# KiCad board hvd-50-idc-panel.kicad_pcb (continued)
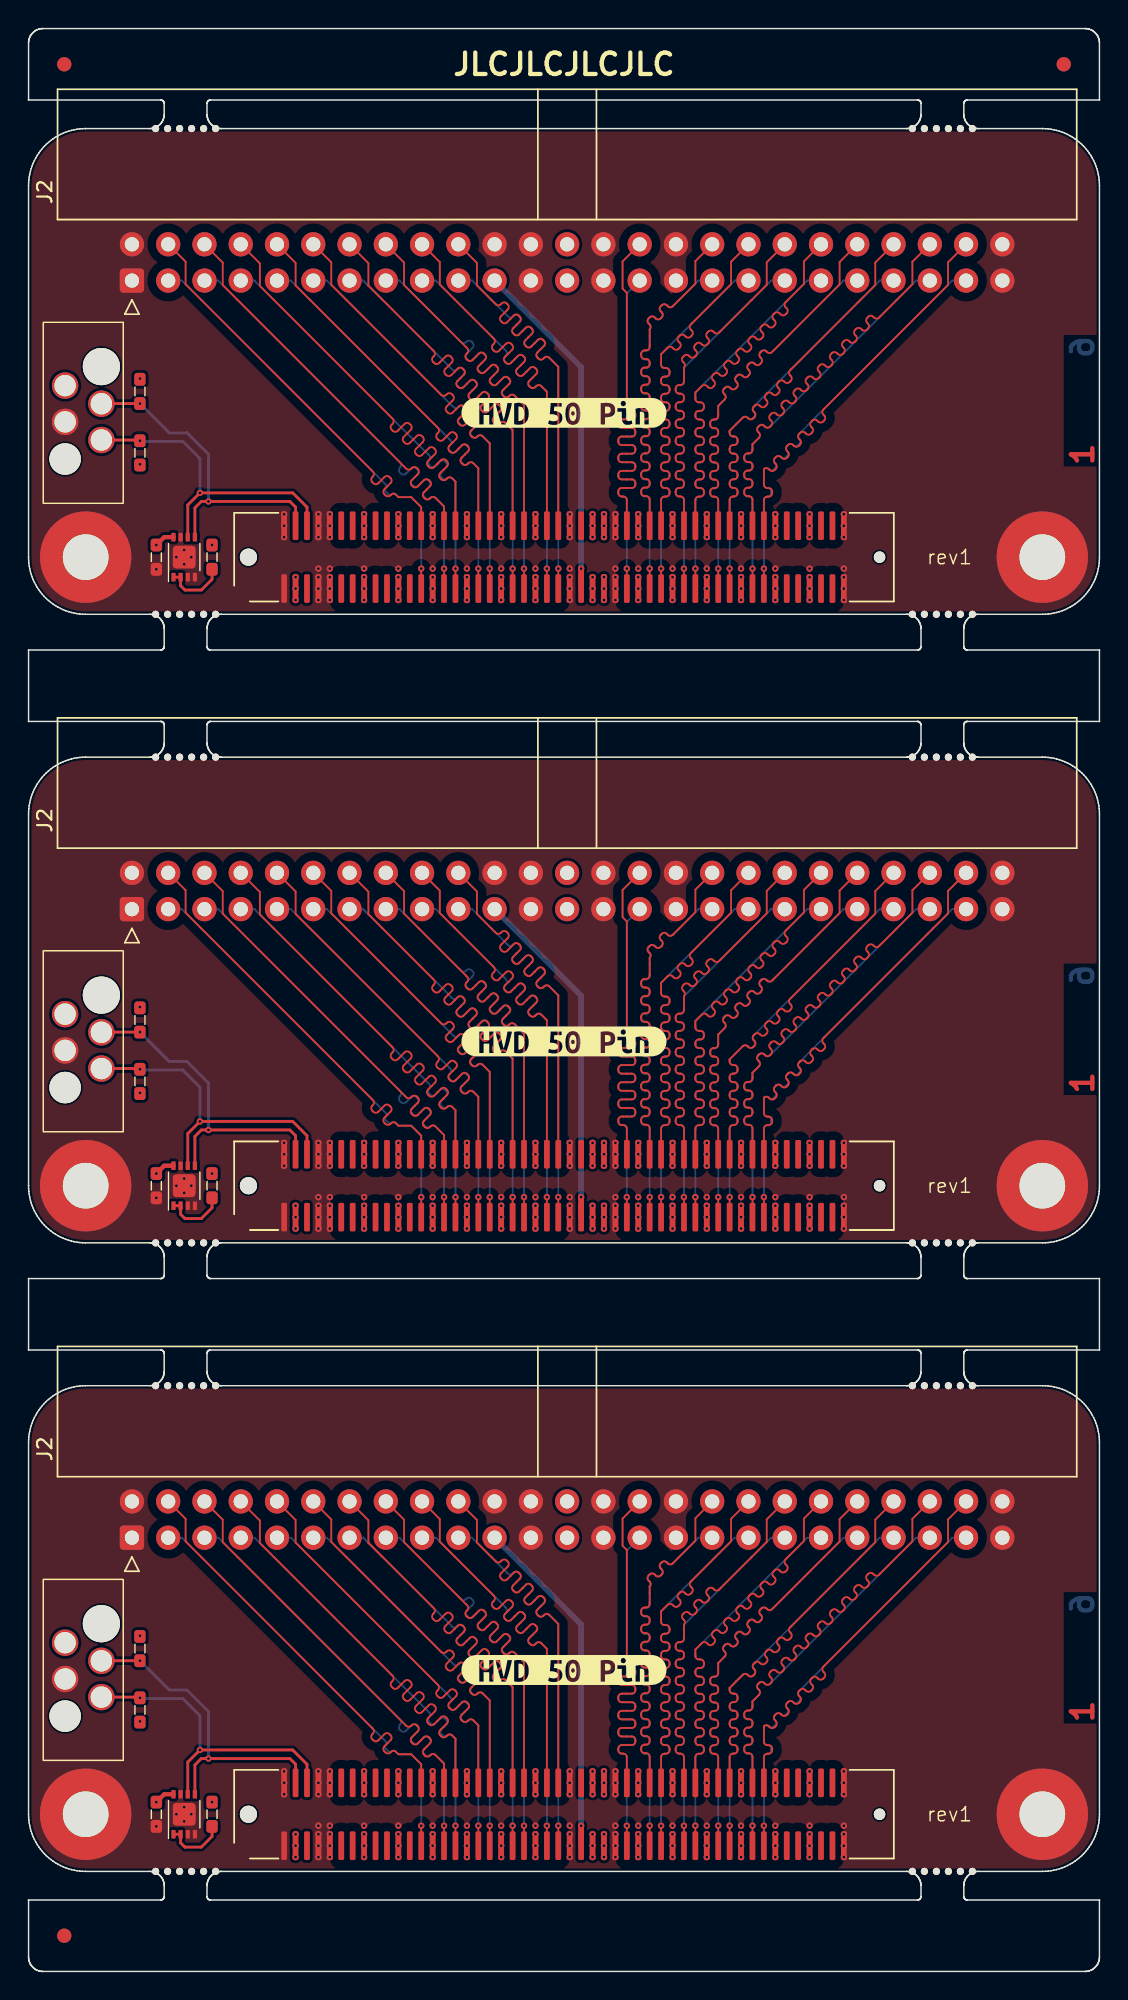
[diagram p0: board, top side]
## Routing (per net, layer and track width the routed paths; a pad name or vN(x,y) marks a point on that pad's centre or on a via; arc(x,y) is an arc through that point) (continued)
Board_2-/CON.ACK-: length 30
  Top w0.128: J2.36 49.2,31.68 49.2,30.11 46.37,27.28 arc(46.3,27.11) 46.37,26.94 46.45,26.86 arc(46.52,26.69) 46.45,26.52 46.37,26.43 arc(46.2,26.36) 46.03,26.43 45.95,26.52 arc(45.78,26.59) 45.61,26.52 45.52,26.43 arc(45.45,26.26) 45.52,26.09 45.61,26.01 arc(45.68,25.84) 45.61,25.67 45.52,25.58 arc(45.35,25.51) 45.18,25.58 45.1,25.67 arc(44.93,25.74) 44.76,25.67 44.3,25.21 44.3,24.48 arc(44.37,24.31) 44.54,24.24 44.66,24.24 arc(44.83,24.17) 44.9,24 44.9,23.88 arc(44.83,23.71) 44.66,23.64 44.54,23.64 arc(44.37,23.57) 44.3,23.4 44.3,23.28 arc(44.37,23.11) 44.54,23.04 44.66,23.04 arc(44.83,22.97) 44.9,22.8 44.9,22.68 arc(44.83,22.51) 44.66,22.44 44.54,22.44 arc(44.37,22.37) 44.3,22.2 44.3,22.08 arc(44.37,21.91) 44.54,21.84 44.66,21.84 arc(44.83,21.77) 44.9,21.6 44.9,21.48 arc(44.83,21.31) 44.66,21.24 44.54,21.24 arc(44.37,21.17) 44.3,21 44.3,20.88 arc(44.37,20.71) 44.54,20.64 44.66,20.64 arc(44.83,20.57) 44.9,20.4 44.9,20.28 arc(44.83,20.11) 44.66,20.04 44.54,20.04 arc(44.37,19.97) 44.3,19.8 44.3,19.68 arc(44.37,19.51) 44.54,19.44 44.66,19.44 arc(44.83,19.37) 44.9,19.2 44.9,19.08 arc(44.83,18.91) 44.66,18.84 44.54,18.84 arc(44.37,18.77) 44.3,18.6 44.3,18.48 arc(44.37,18.31) 44.54,18.24 44.66,18.24 arc(44.83,18.17) 44.9,18 44.9,17.88 arc(44.83,17.71) 44.66,17.64 44.54,17.64 arc(44.37,17.57) 44.3,17.4 44.3,17.28 arc(44.37,17.11) 44.54,17.04 44.66,17.04 arc(44.83,16.97) 44.9,16.8 44.9,16.68 arc(44.83,16.51) 44.66,16.44 44.54,16.44 arc(44.37,16.37) 44.3,16.2 44.3,16.08 arc(44.37,15.91) 44.54,15.84 44.66,15.84 arc(44.83,15.77) 44.9,15.6 44.9,15.48 arc(44.83,15.31) 44.66,15.24 44.54,15.24 arc(44.37,15.17) 44.3,15 J1.68
Board_2-/CON.ATN+: length 30.4
  Top w0.128: J1.61 v1(41.9,10.2)
  Bottom w0.128: J2.29 41.9,29.46 41.9,20.88 arc(41.83,20.71) 41.66,20.64 41.56,20.64 arc(41.39,20.57) 41.32,20.4 41.32,20.28 arc(41.39,20.11) 41.56,20.04 42.24,20.04 arc(42.41,19.97) 42.48,19.8 42.48,19.68 arc(42.41,19.51) 42.24,19.44 41.56,19.44 arc(41.39,19.37) 41.32,19.2 41.32,19.08 arc(41.39,18.91) 41.56,18.84 42.24,18.84 arc(42.41,18.77) 42.48,18.6 42.48,18.48 arc(42.41,18.31) 42.24,18.24 41.56,18.24 arc(41.39,18.17) 41.32,18 41.32,17.88 arc(41.39,17.71) 41.56,17.64 42.24,17.64 arc(42.41,17.57) 42.48,17.4 42.48,17.28 arc(42.41,17.11) 42.24,17.04 41.56,17.04 arc(41.39,16.97) 41.32,16.8 41.32,16.68 arc(41.39,16.51) 41.56,16.44 42.24,16.44 arc(42.41,16.37) 42.48,16.2 42.48,16.08 arc(42.41,15.91) 42.24,15.84 41.56,15.84 arc(41.39,15.77) 41.32,15.6 41.32,15.48 arc(41.39,15.31) 41.56,15.24 41.66,15.24 arc(41.83,15.17) 41.9,15 v1(41.9,10.2)
Board_2-/CON.ATN-: length 30
  Top w0.128: J2.30 41.6,31.7 41.6,29.8 41.9,29.5 41.9,21.48 arc(41.97,21.32) 42.14,21.24 42.26,21.24 arc(42.43,21.17) 42.5,21 42.5,20.88 arc(42.43,20.72) 42.26,20.64 41.54,20.64 arc(41.37,20.57) 41.3,20.4 41.3,20.28 arc(41.37,20.12) 41.54,20.04 42.26,20.04 arc(42.43,19.97) 42.5,19.8 42.5,19.68 arc(42.43,19.52) 42.26,19.44 41.54,19.44 arc(41.37,19.37) 41.3,19.2 41.3,19.08 arc(41.37,18.92) 41.54,18.84 42.26,18.84 arc(42.43,18.77) 42.5,18.6 42.5,18.48 arc(42.43,18.32) 42.26,18.24 41.54,18.24 arc(41.37,18.17) 41.3,18 41.3,17.88 arc(41.37,17.72) 41.54,17.64 42.26,17.64 arc(42.43,17.57) 42.5,17.4 42.5,17.28 arc(42.43,17.12) 42.26,17.04 41.54,17.04 arc(41.37,16.97) 41.3,16.8 41.3,16.68 arc(41.37,16.52) 41.54,16.44 42.26,16.44 arc(42.43,16.37) 42.5,16.2 42.5,16.08 arc(42.43,15.92) 42.26,15.84 41.54,15.84 arc(41.37,15.77) 41.3,15.6 41.3,15.48 arc(41.37,15.32) 41.54,15.24 41.66,15.24 arc(41.83,15.17) 41.9,15 J1.62
Board_2-/CON.BSY+: length 32.6
  Top w0.128: J1.65 v1(43.5,10.2)
  Bottom w0.128: v1(43.5,10.2) 43.5,15 arc(43.43,15.17) 43.26,15.24 43.14,15.24 arc(42.97,15.31) 42.9,15.48 42.9,15.6 arc(42.97,15.77) 43.14,15.84 43.26,15.84 arc(43.43,15.91) 43.5,16.08 43.5,16.2 arc(43.43,16.37) 43.26,16.44 43.14,16.44 arc(42.97,16.51) 42.9,16.68 42.9,16.8 arc(42.97,16.97) 43.14,17.04 43.26,17.04 arc(43.43,17.11) 43.5,17.28 43.5,17.4 arc(43.43,17.57) 43.26,17.64 43.14,17.64 arc(42.97,17.71) 42.9,17.88 42.9,18 arc(42.97,18.17) 43.14,18.24 43.26,18.24 arc(43.43,18.31) 43.5,18.48 43.5,18.6 arc(43.43,18.77) 43.26,18.84 43.14,18.84 arc(42.97,18.91) 42.9,19.08 42.9,19.2 arc(42.97,19.37) 43.14,19.44 43.26,19.44 arc(43.43,19.51) 43.5,19.68 43.5,19.8 arc(43.43,19.97) 43.26,20.04 43.14,20.04 arc(42.97,20.11) 42.9,20.28 42.9,20.4 arc(42.97,20.57) 43.14,20.64 43.26,20.64 arc(43.43,20.71) 43.5,20.88 43.5,21 arc(43.43,21.17) 43.26,21.24 43.14,21.24 arc(42.97,21.31) 42.9,21.48 42.9,21.6 arc(42.97,21.77) 43.14,21.84 43.26,21.84 arc(43.43,21.91) 43.5,22.08 43.5,22.2 arc(43.43,22.37) 43.26,22.44 43.14,22.44 arc(42.97,22.51) 42.9,22.68 42.9,22.8 arc(42.97,22.97) 43.14,23.04 43.26,23.04 arc(43.43,23.11) 43.5,23.28 43.5,23.4 arc(43.43,23.57) 43.26,23.64 43.14,23.64 arc(42.97,23.71) 42.9,23.88 42.9,24 arc(42.97,24.17) 43.14,24.24 43.26,24.24 arc(43.43,24.31) 43.5,24.48 43.5,24.6 arc(43.43,24.77) 43.26,24.84 43.14,24.84 arc(42.97,24.91) 42.9,25.08 42.9,25.2 arc(42.97,25.37) 43.14,25.44 43.26,25.44 arc(43.43,25.51) 43.5,25.68 43.5,26.95 arc(43.57,27.12) 43.5,27.29 43.42,27.37 arc(43.34,27.54) 43.42,27.71 43.5,27.8 arc(43.67,27.87) 43.84,27.8 43.92,27.71 arc(44.09,27.64) 44.26,27.71 44.35,27.8 arc(44.42,27.97) 44.35,28.13 44.26,28.22 arc(44.19,28.39) 44.26,28.56 44.35,28.64 arc(44.52,28.71) 44.69,28.64 44.77,28.56 arc(44.94,28.49) 45.11,28.56 46.92,30.36 J2.33
Board_2-/CON.BSY-: length 30
  Top w0.128: J1.66 43.5,15.04 arc(43.43,15.21) 43.26,15.28 43.15,15.28 arc(42.98,15.35) 42.91,15.52 42.91,15.64 arc(42.98,15.81) 43.15,15.88 43.26,15.88 arc(43.43,15.95) 43.5,16.12 43.5,16.24 arc(43.43,16.41) 43.26,16.48 43.15,16.48 arc(42.98,16.55) 42.91,16.72 42.91,16.84 arc(42.98,17.01) 43.15,17.08 43.26,17.08 arc(43.43,17.15) 43.5,17.32 43.5,17.44 arc(43.43,17.61) 43.26,17.68 43.15,17.68 arc(42.98,17.75) 42.91,17.92 42.91,18.04 arc(42.98,18.21) 43.15,18.28 43.26,18.28 arc(43.43,18.35) 43.5,18.52 43.5,18.64 arc(43.43,18.81) 43.26,18.88 43.15,18.88 arc(42.98,18.95) 42.91,19.12 42.91,19.24 arc(42.98,19.41) 43.15,19.48 43.26,19.48 arc(43.43,19.55) 43.5,19.72 43.5,19.84 arc(43.43,20.01) 43.26,20.08 43.15,20.08 arc(42.98,20.15) 42.91,20.32 42.91,20.44 arc(42.98,20.61) 43.15,20.68 43.26,20.68 arc(43.43,20.75) 43.5,20.92 43.5,21.04 arc(43.43,21.21) 43.26,21.28 43.15,21.28 arc(42.98,21.35) 42.91,21.52 42.91,21.64 arc(42.98,21.81) 43.15,21.88 43.26,21.88 arc(43.43,21.95) 43.5,22.12 43.5,22.24 arc(43.43,22.41) 43.26,22.48 43.15,22.48 arc(42.98,22.55) 42.91,22.72 42.91,22.84 arc(42.98,23.01) 43.15,23.08 43.26,23.08 arc(43.43,23.15) 43.5,23.32 43.5,23.44 arc(43.43,23.61) 43.26,23.68 43.15,23.68 arc(42.98,23.75) 42.91,23.92 42.91,24.04 arc(42.98,24.21) 43.15,24.28 43.26,24.28 arc(43.43,24.35) 43.5,24.52 43.5,24.64 arc(43.43,24.81) 43.26,24.88 43.15,24.88 arc(42.98,24.95) 42.91,25.12 42.91,25.24 arc(42.98,25.41) 43.15,25.48 43.26,25.48 arc(43.43,25.55) 43.5,25.72 43.5,26.95 arc(43.57,27.12) 43.5,27.29 43.42,27.37 arc(43.35,27.54) 43.42,27.71 43.5,27.79 arc(43.67,27.86) 43.84,27.79 43.92,27.71 arc(44.09,27.64) 44.26,27.71 44.35,27.8 arc(44.42,27.97) 44.35,28.13 44.27,28.22 arc(44.2,28.39) 44.27,28.55 44.35,28.64 arc(44.52,28.71) 44.69,28.64 44.77,28.56 arc(44.94,28.49) 45.11,28.56 46.7,30.15 46.7,31.72 J2.34
Board_2-/CON.C/D+: length 30.4
  Top w0.128: J1.79 v1(49.1,10.2)
  Bottom w0.128: v1(49.1,10.2) 49.1,15.02 arc(49.17,15.19) 49.34,15.26 49.42,15.26 arc(49.59,15.33) 49.66,15.5 49.66,15.62 arc(49.59,15.79) 49.42,15.86 49.34,15.86 arc(49.17,15.93) 49.1,16.1 49.1,16.22 arc(49.17,16.39) 49.34,16.46 49.42,16.46 arc(49.59,16.53) 49.66,16.7 49.66,16.82 arc(49.59,16.99) 49.42,17.06 49.34,17.06 arc(49.17,17.13) 49.1,17.3 49.1,17.42 arc(49.17,17.59) 49.34,17.66 49.42,17.66 arc(49.59,17.73) 49.66,17.9 49.66,18.02 arc(49.59,18.19) 49.42,18.26 49.34,18.26 arc(49.17,18.33) 49.1,18.5 49.1,18.62 arc(49.17,18.79) 49.34,18.86 49.42,18.86 arc(49.59,18.93) 49.66,19.1 49.66,19.22 arc(49.59,19.39) 49.42,19.46 49.34,19.46 arc(49.17,19.53) 49.1,19.7 49.1,19.85 50.02,20.77 arc(50.19,20.84) 50.36,20.77 50.41,20.71 arc(50.58,20.64) 50.75,20.71 50.84,20.8 arc(50.91,20.97) 50.84,21.14 50.78,21.19 arc(50.71,21.36) 50.78,21.53 50.87,21.61 59.62,30.36 J2.43
Board_2-/CON.C/D-: length 30
  Top w0.128: J1.80 49.1,15.01 arc(49.17,15.18) 49.34,15.25 49.42,15.25 arc(49.59,15.32) 49.66,15.49 49.66,15.61 arc(49.59,15.78) 49.42,15.85 49.34,15.85 arc(49.17,15.92) 49.1,16.09 49.1,16.21 arc(49.17,16.38) 49.34,16.45 49.42,16.45 arc(49.59,16.52) 49.66,16.69 49.66,16.81 arc(49.59,16.98) 49.42,17.05 49.34,17.05 arc(49.17,17.12) 49.1,17.29 49.1,17.41 arc(49.17,17.58) 49.34,17.65 49.42,17.65 arc(49.59,17.72) 49.66,17.89 49.66,18.01 arc(49.59,18.18) 49.42,18.25 49.34,18.25 arc(49.17,18.32) 49.1,18.49 49.1,18.61 arc(49.17,18.78) 49.34,18.85 49.42,18.85 arc(49.59,18.92) 49.66,19.09 49.66,19.21 arc(49.59,19.38) 49.42,19.45 49.34,19.45 arc(49.17,19.52) 49.1,19.69 49.1,19.85 50.02,20.77 arc(50.19,20.84) 50.36,20.77 50.41,20.71 arc(50.58,20.64) 50.75,20.71 50.84,20.8 arc(50.91,20.97) 50.84,21.14 50.78,21.19 arc(50.71,21.36) 50.78,21.53 50.87,21.61 arc(51.04,21.68) 51.21,21.61 51.26,21.56 arc(51.43,21.49) 51.6,21.56 51.68,21.65 arc(51.76,21.82) 51.68,21.99 51.63,22.04 arc(51.56,22.21) 51.63,22.38 51.72,22.46 arc(51.89,22.53) 52.06,22.46 52.11,22.41 arc(52.28,22.34) 52.45,22.41 52.53,22.49 arc(52.6,22.66) 52.53,22.83 52.48,22.89 arc(52.41,23.06) 52.48,23.23 52.56,23.31 arc(52.73,23.38) 52.9,23.31 52.96,23.26 arc(53.13,23.19) 53.3,23.26 53.38,23.34 arc(53.45,23.51) 53.38,23.68 53.33,23.74 arc(53.26,23.91) 53.33,24.08 53.41,24.16 59.3,30.05 59.3,31.62 J2.44
Board_2-/CON.DB0+: length 30.4
  Top w0.128: J1.25 v1(27.5,10.2)
  Bottom w0.128: v1(27.5,10.2) 27.5,14.5 26.8,15.2 25.9,15.2 25.69,15.42 arc(25.56,15.47) 25.44,15.42 arc(25.31,15.36) 25.19,15.42 25.01,15.59 arc(24.96,15.72) 25.01,15.84 arc(25.07,15.96) 25.01,16.09 10.74,30.36 J2.3
Board_2-/CON.DB0-: length 30
  Top w0.128: J2.4 11,31.68 11,30.11 24.03,17.07 24.12,16.99 arc(24.19,16.82) 24.12,16.65 24.07,16.6 arc(24,16.43) 24.07,16.26 24.15,16.17 arc(24.32,16.1) 24.49,16.17 24.93,16.61 arc(25.1,16.69) 25.27,16.61 25.36,16.53 arc(25.43,16.36) 25.36,16.19 24.92,15.75 arc(24.85,15.58) 24.92,15.41 25,15.33 arc(25.17,15.26) 25.34,15.33 25.39,15.38 arc(25.56,15.45) 25.73,15.38 25.9,15.2 26.8,15.2 27.5,14.5 J1.26
Board_2-/CON.DB1+: length 32.9
  Top w0.128: J1.29 v1(29.1,10.2)
  Bottom w0.128: J2.5 13.28,30.36 26.02,17.62 arc(26.09,17.45) 26.02,17.28 26,17.26 arc(25.93,17.09) 26,16.92 26.09,16.84 arc(26.26,16.77) 26.43,16.84 26.81,17.22 arc(26.98,17.29) 27.15,17.22 27.23,17.14 arc(27.3,16.97) 27.23,16.8 26.85,16.42 arc(26.78,16.25) 26.85,16.08 26.94,15.99 arc(27.11,15.92) 27.28,15.99 27.66,16.37 arc(27.83,16.44) 28,16.37 28.08,16.29 arc(28.15,16.12) 28.08,15.95 27.7,15.57 arc(27.63,15.4) 27.7,15.23 27.78,15.14 arc(27.95,15.07) 28.12,15.14 28.14,15.16 arc(28.31,15.23) 28.48,15.16 29.1,14.55 v1(29.1,10.2)
Board_2-/CON.DB1-: length 30
  Top w0.128: J2.6 13.6,31.62 13.6,30.05 26.46,17.19 arc(26.63,17.12) 26.8,17.19 26.85,17.24 arc(27.02,17.31) 27.19,17.24 27.27,17.16 arc(27.34,16.99) 27.27,16.82 26.83,16.37 arc(26.76,16.2) 26.83,16.04 26.91,15.95 arc(27.08,15.88) 27.25,15.95 27.7,16.39 arc(27.87,16.46) 28.04,16.39 28.12,16.31 arc(28.19,16.14) 28.12,15.97 27.68,15.53 arc(27.61,15.36) 27.68,15.19 27.76,15.1 arc(27.93,15.03) 28.1,15.1 28.15,15.15 arc(28.32,15.22) 28.49,15.15 29.1,14.55 J1.30
Board_2-/CON.DB2+: length 30.4
  Top w0.128: J1.31 v1(29.9,10.2)
  Bottom w0.128: v1(29.9,10.2) 29.9,16.29 29.67,16.51 arc(29.5,16.58) 29.34,16.51 arc(29.17,16.45) 29,16.51 28.91,16.61 arc(28.84,16.77) 28.91,16.94 29.25,17.28 arc(29.32,17.44) 29.25,17.61 29.16,17.7 arc(28.99,17.77) 28.82,17.7 28.49,17.37 arc(28.32,17.3) 28.15,17.37 28.06,17.45 arc(27.99,17.62) 28.06,17.79 arc(28.13,17.96) 28.06,18.12 27.98,18.21 15.82,30.36 J2.7
Board_2-/CON.DB2-: length 34.4
  Top w0.128: J2.8 16.2,31.56 16.2,29.99 25.5,20.68 arc(25.57,20.51) 25.5,20.34 25.43,20.27 arc(25.36,20.1) 25.43,19.93 25.51,19.84 arc(25.68,19.77) 25.85,19.84 26.34,20.34 arc(26.51,20.41) 26.68,20.34 26.77,20.25 arc(26.84,20.08) 26.77,19.91 26.27,19.42 arc(26.2,19.25) 26.27,19.08 26.36,19 arc(26.53,18.93) 26.7,19 27.19,19.49 arc(27.36,19.56) 27.53,19.49 27.62,19.4 arc(27.69,19.23) 27.62,19.06 27.12,18.57 arc(27.05,18.4) 27.12,18.23 27.21,18.15 arc(27.38,18.08) 27.55,18.15 28.04,18.64 arc(28.21,18.71) 28.38,18.64 28.46,18.55 arc(28.53,18.38) 28.46,18.21 27.97,17.72 arc(27.9,17.55) 27.97,17.38 28.06,17.3 arc(28.23,17.23) 28.4,17.3 28.89,17.79 arc(29.06,17.86) 29.23,17.79 29.31,17.71 arc(29.38,17.54) 29.31,17.37 28.82,16.87 arc(28.75,16.7) 28.82,16.54 28.91,16.45 arc(29.08,16.38) 29.24,16.45 29.32,16.53 arc(29.49,16.6) 29.66,16.53 29.9,16.29 J1.32
Board_2-/CON.DB3+: length 30.4
  Top w0.128: J1.35 v1(31.5,10.2)
  Bottom w0.128: v1(31.5,10.2) 31.5,17.23 31.15,17.58 arc(30.98,17.65) 30.81,17.58 30.77,17.53 arc(30.6,17.46) 30.43,17.53 30.34,17.62 arc(30.27,17.79) 30.34,17.96 30.77,18.38 arc(30.84,18.55) 30.77,18.72 30.68,18.81 arc(30.51,18.88) 30.34,18.81 29.92,18.38 arc(29.75,18.31) 29.58,18.38 29.49,18.47 arc(29.42,18.64) 29.49,18.81 29.54,18.85 arc(29.61,19.02) 29.54,19.19 18.36,30.36 J2.9
Board_2-/CON.DB3-: length 30
  Top w0.128: J1.36 31.5,17.23 31.14,17.58 arc(30.97,17.65) 30.8,17.58 30.74,17.52 arc(30.57,17.45) 30.4,17.52 30.31,17.6 arc(30.24,17.77) 30.31,17.94 30.79,18.41 arc(30.86,18.58) 30.79,18.75 30.7,18.84 arc(30.53,18.91) 30.36,18.84 29.89,18.37 arc(29.72,18.3) 29.55,18.37 29.46,18.45 arc(29.39,18.62) 29.46,18.79 29.94,19.26 arc(30.01,19.43) 29.94,19.6 29.85,19.69 arc(29.68,19.76) 29.51,19.69 29.04,19.21 arc(28.87,19.14) 28.7,19.21 28.62,19.3 arc(28.55,19.47) 28.62,19.64 28.68,19.71 arc(28.75,19.88) 28.68,20.04 18.7,30.03 18.7,31.6 J2.10
Board_2-/CON.DB4+: length 30.4
  Top w0.128: J1.37 v1(32.3,10.2)
  Bottom w0.128: v1(32.3,10.2) 32.3,18.97 31.81,19.46 arc(31.64,19.53) 31.47,19.46 31.44,19.43 arc(31.27,19.36) 31.1,19.43 31.01,19.52 arc(30.94,19.69) 31.01,19.86 31.41,20.25 arc(31.48,20.42) 31.41,20.59 31.33,20.68 arc(31.16,20.75) 30.99,20.68 30.59,20.28 arc(30.42,20.21) 30.25,20.28 30.16,20.36 arc(30.09,20.53) 30.16,20.7 30.56,21.1 arc(30.63,21.27) 30.56,21.44 30.48,21.53 arc(30.31,21.6) 30.14,21.53 30.11,21.5 arc(29.94,21.43) 29.77,21.5 20.9,30.36 J2.11
Board_2-/CON.DB4-: length 30
  Top w0.128: J1.38 32.3,18.97 31.79,19.47 arc(31.62,19.54) 31.45,19.47 31.4,19.42 arc(31.23,19.35) 31.06,19.42 30.98,19.51 arc(30.91,19.67) 30.98,19.84 31.42,20.29 arc(31.49,20.46) 31.42,20.63 31.34,20.72 arc(31.17,20.79) 31,20.72 30.55,20.27 arc(30.38,20.2) 30.21,20.27 30.13,20.35 arc(30.06,20.52) 30.13,20.69 30.57,21.14 arc(30.64,21.31) 30.57,21.48 30.49,21.56 arc(30.32,21.63) 30.15,21.56 29.7,21.12 arc(29.53,21.05) 29.36,21.12 29.28,21.2 arc(29.21,21.37) 29.28,21.54 29.73,21.99 arc(29.8,22.16) 29.73,22.33 29.64,22.41 arc(29.47,22.48) 29.3,22.41 29.25,22.36 arc(29.08,22.29) 28.91,22.36 21.2,30.07 21.2,31.64 J2.12
Board_2-/CON.DB5+: length 35.8
  Top w0.128: J1.41 v1(33.9,10.2)
  Bottom w0.128: 23.44,30.36 24.8,29 ; 23.44,30.36 J2.13 ; 23.44,30.36 29.57,24.23 29.66,24.14 arc(29.83,24.07) 30,24.14 30.05,24.2 arc(30.22,24.27) 30.39,24.2 30.48,24.11 arc(30.55,23.94) 30.48,23.77 30.03,23.33 arc(29.96,23.16) 30.03,22.99 30.11,22.9 arc(30.28,22.83) 30.45,22.9 30.9,23.35 arc(31.07,23.42) 31.24,23.35 31.32,23.26 arc(31.39,23.09) 31.32,22.92 30.88,22.48 arc(30.81,22.31) 30.88,22.14 30.96,22.05 arc(31.13,21.98) 31.3,22.05 31.75,22.5 arc(31.92,22.57) 32.09,22.5 32.17,22.41 arc(32.24,22.24) 32.17,22.08 31.73,21.63 arc(31.66,21.46) 31.73,21.29 31.81,21.2 arc(31.98,21.13) 32.15,21.2 32.6,21.65 arc(32.77,21.72) 32.94,21.65 33.02,21.57 arc(33.09,21.4) 33.02,21.23 32.58,20.78 arc(32.51,20.61) 32.58,20.44 32.66,20.36 arc(32.83,20.29) 33,20.36 33.05,20.41 arc(33.22,20.48) 33.39,20.41 33.9,19.9 v1(33.9,10.2)
Board_2-/CON.DB5-: length 34.4
  Top w0.128: J1.42 33.9,19.91 33.4,20.41 arc(33.23,20.48) 33.06,20.41 33,20.35 arc(32.83,20.28) 32.66,20.35 32.57,20.43 arc(32.5,20.6) 32.57,20.77 33.04,21.23 arc(33.11,21.4) 33.04,21.57 32.95,21.66 arc(32.78,21.73) 32.61,21.66 32.15,21.2 arc(31.98,21.13) 31.81,21.2 31.72,21.28 arc(31.65,21.45) 31.72,21.62 32.19,22.08 arc(32.26,22.25) 32.19,22.42 32.1,22.51 arc(31.93,22.58) 31.76,22.51 31.3,22.04 arc(31.13,21.97) 30.96,22.04 30.87,22.13 arc(30.8,22.3) 30.87,22.47 31.34,22.93 arc(31.41,23.1) 31.34,23.27 31.25,23.36 arc(31.08,23.43) 30.91,23.36 30.45,22.89 arc(30.28,22.82) 30.11,22.89 30.03,22.98 arc(29.96,23.15) 30.03,23.32 30.49,23.78 arc(30.56,23.95) 30.49,24.12 30.41,24.2 arc(30.24,24.27) 30.07,24.2 29.6,23.74 arc(29.43,23.67) 29.26,23.74 29.18,23.83 arc(29.11,24) 29.18,24.17 29.64,24.63 arc(29.71,24.8) 29.64,24.97 29.56,25.05 arc(29.39,25.12) 29.22,25.05 28.75,24.59 arc(28.58,24.52) 28.41,24.59 28.33,24.67 arc(28.26,24.84) 28.33,25.01 28.39,25.08 arc(28.46,25.25) 28.39,25.42 23.8,30.01 23.8,31.58 J2.14
Board_2-/CON.DB6+: length 32.9
  Top w0.128: J1.43 v1(34.7,10.2)
  Bottom w0.128: v1(34.7,10.2) 34.7,21.65 34.03,22.32 arc(33.86,22.39) 33.69,22.32 33.65,22.27 arc(33.48,22.2) 33.31,22.27 33.22,22.36 arc(33.15,22.53) 33.22,22.7 33.65,23.12 arc(33.72,23.29) 33.65,23.46 33.56,23.55 arc(33.39,23.62) 33.22,23.55 32.8,23.12 arc(32.63,23.05) 32.46,23.12 32.38,23.21 arc(32.31,23.38) 32.38,23.55 32.8,23.97 arc(32.87,24.14) 32.8,24.31 32.72,24.4 arc(32.55,24.47) 32.38,24.4 31.95,23.97 arc(31.78,23.9) 31.61,23.97 31.53,24.06 arc(31.46,24.23) 31.53,24.39 31.95,24.82 arc(32.02,24.99) 31.95,25.16 31.87,25.24 arc(31.7,25.31) 31.53,25.24 31.1,24.82 arc(30.93,24.75) 30.76,24.82 30.68,24.9 arc(30.61,25.07) 30.68,25.24 31.1,25.67 arc(31.17,25.84) 31.1,26.01 31.02,26.09 arc(30.85,26.16) 30.68,26.09 30.64,26.05 arc(30.47,25.98) 30.3,26.05 25.98,30.36 J2.15
Board_2-/CON.DB6-: length 30
  Top w0.128: J2.16 26.3,31.62 26.3,30.05 30.73,25.62 arc(30.8,25.45) 30.73,25.28 30.66,25.22 arc(30.59,25.05) 30.66,24.88 30.75,24.79 arc(30.92,24.72) 31.09,24.79 31.55,25.26 arc(31.72,25.33) 31.89,25.26 31.98,25.18 arc(32.05,25.01) 31.98,24.84 31.51,24.37 arc(31.44,24.2) 31.51,24.03 31.59,23.95 arc(31.76,23.87) 31.93,23.95 32.4,24.41 arc(32.57,24.48) 32.74,24.41 32.83,24.33 arc(32.9,24.16) 32.83,23.99 32.36,23.52 arc(32.29,23.35) 32.36,23.18 32.44,23.1 arc(32.61,23.03) 32.78,23.1 33.25,23.56 arc(33.42,23.63) 33.59,23.56 33.67,23.48 arc(33.74,23.31) 33.67,23.14 33.21,22.67 arc(33.14,22.5) 33.21,22.33 33.29,22.25 arc(33.46,22.18) 33.63,22.25 33.7,22.31 arc(33.87,22.38) 34.03,22.31 34.7,21.65 J1.44
Board_2-/CON.DB7+: length 31.3
  Top w0.128: J1.47 v1(36.3,10.2)
  Bottom w0.128: 28.44,30.36 J2.17 28.52,30.36 33.44,25.45 arc(33.51,25.28) 33.44,25.11 33.36,25.03 arc(33.29,24.86) 33.36,24.69 33.45,24.61 arc(33.62,24.54) 33.78,24.61 34.28,25.1 arc(34.45,25.17) 34.62,25.1 34.7,25.02 arc(34.77,24.85) 34.7,24.68 34.21,24.19 arc(34.14,24.02) 34.21,23.85 34.29,23.76 arc(34.46,23.69) 34.63,23.76 35.13,24.25 arc(35.3,24.32) 35.47,24.25 35.55,24.17 arc(35.62,24) 35.55,23.83 35.06,23.34 arc(34.99,23.17) 35.06,23 35.14,22.91 arc(35.31,22.84) 35.48,22.91 35.56,22.99 arc(35.73,23.06) 35.9,22.99 36.3,22.59 v1(36.3,10.2)
Board_2-/CON.DB7-: length 30
  Top w0.128: J2.18 28.8,31.66 28.8,30.09 32.6,26.29 arc(32.67,26.12) 32.6,25.95 32.51,25.87 arc(32.44,25.7) 32.51,25.53 32.6,25.44 arc(32.77,25.37) 32.94,25.44 33.44,25.95 arc(33.61,26.02) 33.78,25.95 33.87,25.86 arc(33.94,25.69) 33.87,25.52 33.36,25.02 arc(33.29,24.85) 33.36,24.68 33.45,24.59 arc(33.62,24.52) 33.79,24.59 34.29,25.1 arc(34.46,25.17) 34.63,25.1 34.72,25.02 arc(34.79,24.85) 34.72,24.68 34.21,24.17 arc(34.14,24) 34.21,23.83 34.3,23.75 arc(34.47,23.68) 34.63,23.75 35.14,24.25 arc(35.31,24.32) 35.48,24.25 35.57,24.17 arc(35.64,24) 35.57,23.83 35.06,23.32 arc(34.99,23.15) 35.06,22.98 35.14,22.9 arc(35.31,22.83) 35.48,22.9 35.57,22.98 arc(35.74,23.05) 35.91,22.98 36.3,22.59 J1.48